# Altium PCB ZYNQ_IPMC.PcbDoc (part 5 of 6)
Units mil, origin at the board's own origin, x right, y up, seen from the top; angles counter-clockwise.
Board outline 3228.35 x 1181.1 mil, 10 copper layers (Component Side, Ground Plane 1 (GND), Inner Layer 1, Inner Layer 2, Power Plane 1, Power Plane 2, Inner Layer 3, Inner Layer 4, Power Plane 3, Solder Side), stack 39.78 mil thick; 308 components, 335 nets, 1514 pads, 1113 vias.
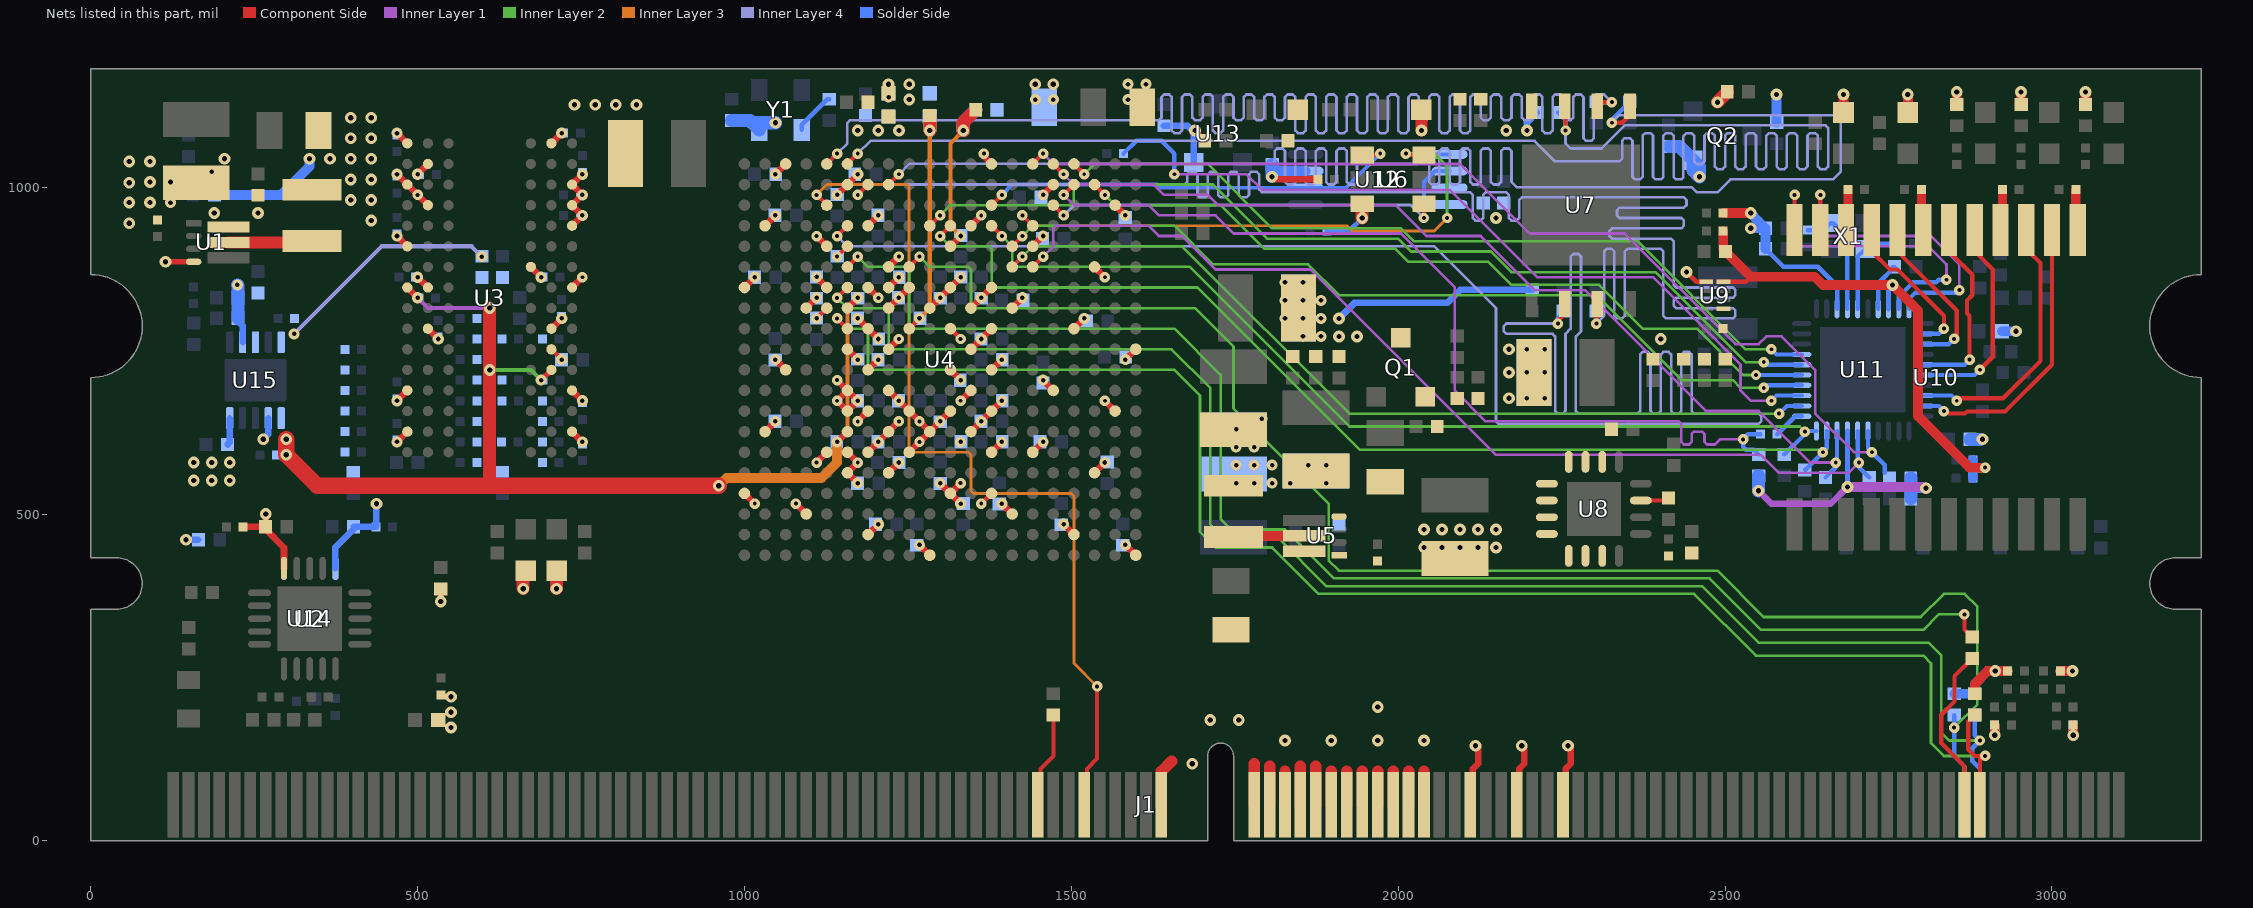
[diagram p13: the nets of this part, all layers, seen from the top]

## Via types
v1: diameter 16, hole 6, Component Side to Solder Side, tented both sides, 528 vias
v2: diameter 17, hole 7, Component Side to Solder Side, tented both sides, 302 vias
v3: diameter 18, hole 8, Component Side to Solder Side, tented both sides, 268 vias
v4: diameter 17, hole 7, Component Side to Solder Side, tented top, 13 vias
v5: diameter 16, hole 6, Component Side to Solder Side, tented top, 2 vias

## Nets (pads, with @x,y where several pads share a name; then routed paths per layer and width w, separated by ;. In a path a pad name is that pad's centre, name@x,y a point inside that pad or via, vN(x,y) a via of type N, cw(c..) or ccw(c..) an arc to the next point about the centre after c; other vN are vias at no path point) (continued)
QSPI_CLK: R68.2 U4.A5 U7.6 | length 3290.3
  Component Side w6.5: U4.A5@1125.98,1035.43 v1(1141.73,1051.18) ; U7.6@2304.53,1123.82 2310.63,1129.92 v1(2326.77,1129.92)
  Inner Layer 4 w4: v1(1141.73,1051.18) 1157.48,1066.93 1157.48,1098.43 1161.42,1102.36 1633.86,1102.36 1637.8,1106.3 1637.8,1137.8 1641.73,1141.73 1649.61,1141.73 1653.54,1137.8 1653.54,1086.61 1657.48,1082.68 1665.35,1082.68 1669.29,1086.61 1669.29,1137.8 1673.23,1141.73 1681.1,1141.73 1685.04,1137.8 1685.04,1106.3 1688.98,1102.36 1696.85,1102.36 1700.79,1106.3 1700.79,1137.8 1704.72,1141.73 1712.6,1141.73 1716.54,1137.8 1716.54,1086.61 1720.47,1082.68 1728.35,1082.68 1732.28,1086.61 1732.28,1137.8 1736.22,1141.73 1744.09,1141.73 1748.03,1137.8 1748.03,1106.3 1751.97,1102.36 1759.84,1102.36 1763.78,1106.3 1763.78,1137.8 1767.72,1141.73 1775.59,1141.73 1779.53,1137.8 1779.53,1106.3 1783.46,1102.36 1791.34,1102.36 1795.28,1106.3 1795.28,1137.8 1799.21,1141.73 1807.09,1141.73 1811.02,1137.8 1811.02,1106.3 1814.96,1102.36 1822.83,1102.36 1826.77,1106.3 1826.77,1137.8 1830.71,1141.73 1838.58,1141.73 1842.52,1137.8 1842.52,1086.61 1846.46,1082.68 1854.33,1082.68 1858.27,1086.61 1858.27,1137.8 1862.2,1141.73 1870.08,1141.73 1874.02,1137.8 1874.02,1086.61 1877.95,1082.68 1885.83,1082.68 1889.76,1086.61 1889.76,1137.8 1893.7,1141.73 1901.57,1141.73 1905.51,1137.8 1905.51,1086.61 1909.45,1082.68 1917.32,1082.68 1921.26,1086.61 1921.26,1137.8 1925.2,1141.73 1933.07,1141.73 1937.01,1137.8 1937.01,1086.61 1940.94,1082.68 1948.82,1082.68 1952.76,1086.61 1952.76,1137.8 1956.69,1141.73 1964.57,1141.73 1968.5,1137.8 1968.5,1086.61 1972.44,1082.68 1980.31,1082.68 1984.25,1086.61 1984.25,1137.8 1988.19,1141.73 1996.06,1141.73 2000,1137.8 2000,1086.61 2003.94,1082.68 2011.81,1082.68 2015.75,1086.61 2015.75,1137.8 2019.68,1141.73 2027.56,1141.73 2031.5,1137.8 2031.5,1106.3 2035.43,1102.36 2043.31,1102.36 2047.24,1106.3 2047.24,1137.8 2051.18,1141.73 2059.06,1141.73 2062.99,1137.8 2062.99,1086.61 2066.93,1082.68 2074.8,1082.68 2078.74,1086.61 2078.74,1137.8 2082.68,1141.73 2090.55,1141.73 2094.49,1137.8 2094.49,1086.61 2098.43,1082.68 2106.3,1082.68 2110.24,1086.61 2110.24,1137.8 2114.17,1141.73 2122.05,1141.73 2125.98,1137.8 2125.98,1106.3 2129.92,1102.36 2137.8,1102.36 2141.73,1106.3 2141.73,1137.8 2145.67,1141.73 2153.54,1141.73 2157.48,1137.8 2157.48,1106.3 2161.42,1102.36 2169.29,1102.36 2173.23,1106.3 2173.23,1137.8 2177.17,1141.73 2185.04,1141.73 2188.98,1137.8 2188.98,1106.3 2192.91,1102.36 2200.79,1102.36 2204.72,1106.3 2204.72,1137.8 2208.66,1141.73 2216.54,1141.73 2220.47,1137.8 2220.47,1086.61 2224.41,1082.68 2232.28,1082.68 2236.22,1086.61 2236.22,1137.8 2240.16,1141.73 2248.03,1141.73 2251.97,1137.8 2251.97,1106.3 2255.91,1102.36 2263.78,1102.36 2267.72,1106.3 2267.72,1137.8 2271.65,1141.73 2279.53,1141.73 2283.46,1137.8 2283.46,1074.8 2287.4,1070.87 2295.28,1070.87 2299.21,1074.8 2299.21,1137.8 2303.15,1141.73 2314.96,1141.73 v1(2326.77,1129.92)
  Solder Side w6.5: R68.2@2303.74,1129.92 v1(2326.77,1129.92)
QSPI_DQ0: R66.2 U4.B8 U7.5 | length 2908.7
  Component Side w6.5: U4.B8@1220.47,1003.94 v1(1236.22,1019.68) ; v1(2326.77,1098.43) 2342.52,1098.43 U7.5@2350.39,1106.3
  Inner Layer 4 w4: v1(1236.22,1019.68) 1252.31,1035.78 1807.43,1035.78 1811.02,1039.37 1811.02,1055.12 1814.96,1059.05 1822.83,1059.05 1826.77,1055.12 1826.77,1007.87 1830.71,1003.94 1838.58,1003.94 1842.52,1007.87 1842.52,1055.12 1846.46,1059.05 1854.33,1059.05 1858.27,1055.12 1858.27,1007.87 1862.2,1003.94 1870.08,1003.94 1874.02,1007.87 1874.02,1055.12 1877.95,1059.05 1885.83,1059.05 1889.76,1055.12 1889.76,1007.87 1893.7,1003.94 1901.57,1003.94 1905.51,1007.87 1905.51,1055.12 1909.45,1059.05 1917.32,1059.05 1921.26,1055.12 1921.26,1007.87 1925.2,1003.94 1933.07,1003.94 1937.01,1007.87 1937.01,1055.12 1940.94,1059.05 1948.82,1059.05 1952.76,1055.12 1952.76,1039.37 1956.69,1035.43 2027.56,1035.43 2031.5,1039.37 2031.5,1055.12 2035.43,1059.05 2043.31,1059.05 2047.24,1055.12 2047.24,1007.87 2051.18,1003.94 2059.06,1003.94 2062.99,1007.87 2062.99,1055.12 2066.93,1059.05 2074.8,1059.05 2078.74,1055.12 2078.74,1007.87 2082.68,1003.94 2090.55,1003.94 2094.49,1007.87 2094.49,1055.12 2098.43,1059.05 2106.3,1059.05 2110.24,1055.12 2110.24,1007.87 2114.17,1003.94 2122.05,1003.94 2125.98,1007.87 2125.98,1055.12 2129.92,1059.05 2137.8,1059.05 2141.73,1055.12 2141.73,1007.87 2145.67,1003.94 2153.54,1003.94 2157.48,1007.87 2157.48,1055.12 2161.42,1059.05 2169.29,1059.05 2173.23,1055.12 2173.23,1007.87 2181.1,1000 2448.82,1000 2456.69,992.13 2488.19,992.13 2507.87,1011.81 2665.35,1011.81 2677.17,1023.62 2677.17,1098.42 2665.35,1110.24 2338.58,1110.24 v1(2326.77,1098.43)
  Solder Side w6.5: v1(2326.77,1098.43) 2326.77,1102.95 R66.2@2354.33,1130.51
QSPI_DQ1: R69.2 U4.D6 U7.2 | length 3325.5
  Component Side w6.5: v1(1141.73,925.2) U4.D6@1157.48,940.94 ; v1(2244.09,791.34) 2244.09,795.28 U7.2@2251.97,803.15
  Inner Layer 4 w4: v1(1141.73,925.2) 1157.48,909.45 2055.12,909.45 2149.61,814.96 2149.61,641.73 2153.54,637.8 2551.18,637.8 2555.12,641.73 2555.12,649.61 2551.18,653.54 2452.76,653.54 2448.82,657.48 2448.82,744.09 2444.88,748.03 2437.01,748.03 2433.07,744.09 2433.07,657.48 2429.13,653.54 2421.26,653.54 2417.32,657.48 2417.32,744.09 2413.39,748.03 2405.51,748.03 2401.57,744.09 2401.57,657.48 2397.64,653.54 2389.76,653.54 2385.83,657.48 2385.83,744.09 2381.89,748.03 2374.02,748.03 2370.08,744.09 2370.08,657.48 2366.14,653.54 2275.59,653.54 2271.65,657.48 2271.65,771.65 2279.53,779.53 2279.53,893.7 2275.59,897.64 2267.72,897.64 2263.78,893.7 2263.78,783.46 2255.91,775.59 2255.91,657.48 2251.97,653.54 2244.09,653.54 2240.16,657.48 2240.16,771.65 2236.22,775.59 2165.35,775.59 2161.42,779.53 2161.42,787.4 2165.35,791.34 v1(2244.09,791.34)
  Solder Side w6.5: v1(2244.09,791.34) 2244.09,799.21 R69.2@2248.03,803.15
QSPI_DQ2: R67.2 U4.B7 U7.3 | length 3218.8
  Component Side w6.5: v1(1173.23,988.19) U4.B7@1188.98,1003.94 ; v1(2303.15,791.34) 2303.15,819.68 U7.3@2304.53,821.06
  Inner Layer 4 w4: v1(1173.23,988.19) 1188.98,1003.94 1673.23,1003.94 1677.17,1007.87 1677.17,1019.68 1681.1,1023.62 1688.98,1023.62 1692.91,1019.68 1692.91,988.19 1696.85,984.25 1704.72,984.25 1708.66,988.19 1708.66,1019.68 1712.6,1023.62 1720.47,1023.62 1724.41,1019.68 1724.41,988.19 1728.35,984.25 1736.22,984.25 1740.16,988.19 1740.16,1019.68 1744.09,1023.62 1751.97,1023.62 1755.91,1019.68 1755.91,988.19 1759.84,984.25 1767.72,984.25 1771.65,988.19 1771.65,1019.68 1775.59,1023.62 1783.46,1023.62 1787.4,1019.68 1787.4,996.06 1791.34,992.13 2110.24,992.13 2114.17,988.19 2114.17,952.76 2118.11,948.82 2125.98,948.82 2129.92,952.76 2129.92,988.19 2133.86,992.13 2165.35,992.13 2169.29,988.19 2169.29,952.76 2173.23,948.82 2181.1,948.82 2185.04,952.76 2185.04,980.32 2188.98,984.25 2437.01,984.25 2440.94,980.32 2440.94,972.44 2437.01,968.5 2338.58,968.5 2334.65,964.57 2334.65,956.69 2338.58,952.76 2433.07,952.76 2437.01,948.82 2437.01,940.94 2433.07,937.01 2326.77,937.01 2322.83,933.07 2322.83,925.2 2326.77,921.26 2417.32,921.26 2421.26,917.32 2421.26,850.39 2425.2,846.46 2511.81,846.46 2515.75,842.52 2515.75,834.65 2511.81,830.71 2425.2,830.71 2421.26,826.77 2421.26,818.9 2425.2,814.96 2511.81,814.96 2515.75,811.02 2515.75,803.15 2511.81,799.21 2409.45,799.21 2405.51,803.15 2405.51,901.57 2401.57,905.51 2350.39,905.51 2346.46,901.57 2346.46,803.15 2342.52,799.21 2334.65,799.21 2330.71,803.15 2330.71,901.57 2326.77,905.51 2318.9,905.51 2314.96,901.57 2314.96,803.15 v1(2303.15,791.34)
  Solder Side w6.5: v1(2303.15,791.34) R67.2@2303.15,810.43
QSPI_DQ3: R70.2 U4.A6 U7.7 | length 3160.5
  Component Side w6.5: U4.A6@1157.48,1035.43 v1(1173.23,1051.18) ; U7.7@2254.53,1123.82 2255.91,1122.44 v1(2255.91,1086.61)
  Inner Layer 4 w4: v1(1173.23,1051.18) 1192.91,1070.87 2208.66,1070.87 2240.16,1039.37 2338.58,1039.37 2342.52,1043.31 2342.52,1070.87 2346.46,1074.8 2354.33,1074.8 2358.27,1070.87 2358.27,1015.75 2362.2,1011.81 2370.08,1011.81 2374.02,1015.75 2374.02,1078.74 2377.95,1082.68 2385.83,1082.68 2389.76,1078.74 2389.76,1015.75 2393.7,1011.81 2401.57,1011.81 2405.51,1015.75 2405.51,1078.74 2409.45,1082.68 2417.32,1082.68 2421.26,1078.74 2421.26,1015.75 2425.2,1011.81 2433.07,1011.81 2435.78,1014.52 2435.78,1077.52 2440.94,1082.68 2448.82,1082.68 2452.76,1078.74 2452.76,1039.37 2456.69,1035.43 2464.57,1035.43 2468.5,1039.37 2468.5,1078.74 2472.44,1082.68 2480.31,1082.68 2484.25,1078.74 2484.25,1031.5 2488.19,1027.56 2496.06,1027.56 2500,1031.5 2500,1078.74 2503.94,1082.68 2511.81,1082.68 2515.75,1078.74 2515.75,1031.5 2519.68,1027.56 2527.56,1027.56 2531.5,1031.5 2531.5,1078.74 2535.43,1082.68 2543.31,1082.68 2547.24,1078.74 2547.24,1031.5 2551.18,1027.56 2559.06,1027.56 2562.99,1031.5 2562.99,1078.74 2566.93,1082.68 2574.8,1082.68 2578.74,1078.74 2578.74,1031.5 2582.68,1027.56 2590.55,1027.56 2594.49,1031.5 2594.49,1078.74 2598.43,1082.68 2606.3,1082.68 2610.24,1078.74 2610.24,1031.5 2614.17,1027.56 2622.05,1027.56 2625.98,1031.5 2625.98,1078.74 2629.92,1082.68 2637.8,1082.68 2641.73,1078.74 2641.73,1031.5 2645.67,1027.56 2653.54,1027.56 2657.48,1031.5 2657.48,1090.55 2653.54,1094.49 2346.46,1094.49 2311.02,1059.05 2263.78,1059.05 2255.91,1066.93 v1(2255.91,1086.61)
  Solder Side w6.5: R70.2@2244.69,1114.17 2255.91,1102.95 v1(2255.91,1086.61)
RBIAS: R55.1 U11.7 | length 77.7
  Solder Side w6.5: U11.7@2734.25,813.98 2734.25,852.95 R55.1@2759.25,877.95 R55.1@2755.91,877.95
REVB_DET: R84.2 U4.E6 | length 22.3
  Component Side w6.5: v1(1141.73,893.7) U4.E6@1157.48,909.45
RGMII_RX_CLK: R63.1 R64.2 U4.B17 | length 1431.5
  Component Side w6.5: v1(1488.19,988.19) U4.B17@1503.94,1003.94
  Inner Layer 1 w4: v1(1488.19,988.19) 1503.94,972.44 1618.11,972.44 1633.86,956.69 1720.47,956.69 1748.03,929.13 2003.94,929.13 2086.61,846.46 2086.61,688.98 2133.86,641.73 2429.13,641.73 2433.07,637.8 2433.07,610.24 2437.01,606.3 2444.88,606.3 2448.82,610.24 2448.82,622.05 2452.76,625.98 2464.57,625.98 2468.5,622.05 2468.5,610.24 2472.44,606.3 2484.25,606.3 2492.13,614.17 v1(2527.56,614.17)
  Solder Side w6.5: R64.2@2551.18,591.14 2550.59,591.14 2543.31,598.43 2531.5,598.43 2527.56,602.36 v1(2527.56,614.17) 2535.43,622.05 R63.1@2554.13,622.05
RGMII_RX_CTL: R61.2 U4.D13 U11.30 | length 1456.7
  Component Side w6.5: U4.D13@1377.95,940.94 v1(1393.7,925.2)
  Inner Layer 2 w4: v1(1393.7,925.2) 1409.45,909.45 1409.45,881.89 1413.39,877.95 1681.1,877.95 1925.2,633.86 2614.17,633.86 v1(2622.05,625.98)
  Solder Side w6.5: R61.2@2590.55,591.14 2622.05,622.64 v1(2622.05,625.98) 2623.03,626.97 U11.30@2639.76,626.97
RGMII_RX_D0: R60.2 U4.D11 U11.29 | length 1615.6
  Component Side w6.5: v1(1299.21,925.2) U4.D11@1314.96,940.94
  Inner Layer 2 w4: v1(1299.21,925.2) 1314.96,909.45 1374.02,909.45 1377.95,905.51 1377.95,850.39 1381.89,846.46 1692.91,846.46 1940.94,598.43 2645.67,598.43 v1(2649.61,594.49)
  Solder Side w6.5: R60.2@2622.05,567.52 2622.64,567.52 v1(2649.61,594.49) 2655.51,600.39 U11.29@2655.51,626.97
RGMII_RX_D1: R59.2 U4.A16 U11.28 | length 1464.6
  Component Side w6.5: U4.A16@1472.44,1035.43 v1(1488.19,1019.68)
  Inner Layer 1 w4: v1(1488.19,1019.68) 1503.94,1003.94 1625.98,1003.94 1641.73,988.19 1708.66,988.19 1724.41,972.44 1996.06,972.44 2043.31,925.2 2125.98,925.2 2208.66,842.52 2285.52,842.52 2470.56,657.48 2551.18,657.48 2629.92,578.74 v1(2669.29,578.74)
  Solder Side w6.5: R59.2@2653.54,555.71 2669.29,571.46 v1(2669.29,578.74) 2671.26,580.71 U11.28@2671.26,626.97
RGMII_RX_D2: R57.2 U4.F15 U11.26 | length 1547.7
  Component Side w6.5: U4.F15@1440.94,877.95 v1(1456.69,893.7)
  Inner Layer 1 w4: v1(1456.69,893.7) 1472.44,909.45 1472.44,937.01 1476.38,940.94 1618.11,940.94 1633.86,925.2 1669.29,925.2 1720.47,874.02 1866.14,874.02 2149.61,590.55 2555.12,590.55 2582.68,562.99 2688.98,562.99 v1(2704.72,578.74)
  Solder Side w6.5: U11.26@2702.76,626.97 2702.76,580.71 v1(2704.72,578.74) 2704.72,571.46 R57.2@2720.47,555.71
RGMII_RX_D3: R56.2 U4.A15 U11.25 | length 1602.7
  Component Side w6.5: U4.A15@1440.94,1035.43 v1(1456.69,1051.18)
  Inner Layer 1 w4: v1(1456.69,1051.18) 1472.44,1035.43 2094.49,1035.43 2200.79,929.13 2346.46,929.13 2515.75,759.84 2551.18,759.84 2562.99,771.65 2586.61,771.65 2637.8,720.47 2637.8,653.54 2696.85,594.49 v1(2724.41,594.49)
  Solder Side w6.5: U11.25@2718.5,626.97 2718.5,600.39 v1(2724.41,594.49) 2744.09,574.8 R56.2@2744.09,562.99
RGMII_TX_CLK: R77.2 U11.33 | length 1255
  Inner Layer 1 w4: v1(1657.48,1019.68) 1767.72,1019.68 1791.34,996.06 2078.74,996.06 2212.6,862.2 2389.76,862.2 2523.62,728.35 2523.62,688.98 2527.56,685.04 2539.37,673.23 v1(2570.87,673.23)
  Solder Side w6.5: R77.2@1579.72,1051.18 1599.41,1070.87 1637.8,1070.87 1657.48,1051.18 v1(1657.48,1019.68) ; v1(2570.87,673.23) 2578.74,681.1 U11.33@2617.13,681.1
RGMII_TX_CTL: U4.F14 U11.32 | length 1331.6
  Component Side w6.5: U4.F14@1409.45,877.95 v1(1425.2,893.7)
  Inner Layer 2 w4: v1(1425.2,893.7) 1440.94,909.45 1669.29,909.45 1925.2,653.54 v1(2582.68,653.54)
  Solder Side w6.5: v1(2582.68,653.54) 2594.49,665.35 U11.32@2617.13,665.35
RGMII_TX_D0: U4.E14 U11.34 | length 1325.1
  Component Side w6.5: U4.E14@1409.45,909.45 v1(1425.2,925.2)
  Inner Layer 2 w4: v1(1425.2,925.2) 1440.94,940.94 1657.48,940.94 1716.54,881.89 1862.2,881.89 1909.45,834.65 2303.15,834.65 2433.07,704.72 2511.81,704.72 2523.62,692.91 v1(2559.06,692.91)
  Solder Side w6.5: v1(2559.06,692.91) 2562.99,696.85 U11.34@2617.13,696.85
RGMII_TX_D1: U4.B18 U11.35 | length 1202.4
  Component Side w6.5: U4.B18@1535.43,1003.94 v1(1551.18,988.19)
  Inner Layer 2 w4: v1(1551.18,988.19) 1566.93,972.44 1728.35,972.44 1795.28,905.51 1996.06,905.51 2015.75,885.83 2137.8,885.83 2173.23,850.39 2307.09,850.39 2374.02,783.46 2456.69,783.46 2527.56,712.6 v1(2547.24,712.6)
  Solder Side w6.5: v1(2547.24,712.6) U11.35@2617.13,712.6
RGMII_TX_D2: U4.D10 U11.36 | length 1487.7
  Component Side w6.5: U4.D10@1283.46,940.94 v1(1299.21,956.69)
  Inner Layer 2 w4: v1(1299.21,956.69) 1314.96,972.44 1500,972.44 1503.94,976.38 1503.94,1000 1507.87,1003.94 1716.54,1003.94 1799.21,921.26 2000,921.26 2019.69,901.57 2141.73,901.57 2173.23,870.08 2393.7,870.08 2531.5,732.28 v1(2559.06,732.28)
  Solder Side w6.5: v1(2559.06,732.28) 2562.99,728.35 U11.36@2617.13,728.35
RGMII_TX_D3: U4.A17 U11.37 | length 1246.9
  Component Side w6.5: U4.A17@1503.94,1035.43 v1(1519.68,1019.68)
  Inner Layer 2 w4: v1(1519.68,1019.68) 1535.43,1035.43 1708.66,1035.43 1807.09,937.01 2003.94,937.01 2023.62,917.32 2366.14,917.32 2531.5,751.97 v1(2570.87,751.97)
  Solder Side w6.5: v1(2570.87,751.97) 2578.74,744.09 U11.37@2617.13,744.09
RGMII_VREF_1.25V: C91.2 R8.1 R78.2 U4.E11 | length 277.2
  Component Side w10: U4.E11@1314.96,909.45 v4(1330.71,925.2)
  Component Side w20: v3(1334.65,1086.61) 1334.65,1099.02 R8.1@1353.74,1118.11
  Inner Layer 3 w6.4: v4(1330.71,925.2) 1314.96,940.95 1314.96,1066.93 v3(1334.65,1086.61)
  Solder Side w20: v3(1334.65,1086.61) 1334.65,1099.02 R78.2@1353.74,1118.11
RX_CLK: R63.2 U11.31 | length 48.8
  Solder Side w6.5: R63.2@2579.72,622.05 2607.28,649.61 U11.31@2617.13,649.61
SPI_CLK: U4.C16 U6.1 U12.6 | length 711.2
  Component Side w6: U4.C16@1472.44,972.44 v1(1488.19,956.69) ; v1(2039.37,952.76) U6.1@2039.37,974.41
  Inner Layer 4 w4.5: v1(1488.19,956.69) 1503.94,972.44 2019.69,972.44 v1(2039.37,952.76)
  Solder Side w6: v1(2039.37,952.76) 2039.37,1007.87 2056.1,1024.61 U12.6@2078.74,1024.61
SPI_MISO: U4.C13 U6.4 U12.2 | length 659.6
  Component Side w6: U4.C13@1377.95,972.44 v1(1393.7,988.19) ; U6.4@1944.88,1049.21 1970.47,1049.21 v1(1972.44,1051.18)
  Solder Side w6: v1(1393.7,988.19) 1409.45,1003.94 1629.92,1003.94 1634.84,999.02 U12.2@1858.27,999.02 1920.28,999.02 v1(1972.44,1051.18)
SPI_MOSI: U4.D15 U6.3 U12.5 | length 932.6
  Component Side w6: v1(1425.2,956.69) U4.D15@1440.94,940.94 ; v1@2013.78,1049.21 U6.3@2039.37,1049.21
  Inner Layer 2 w4.5: v1(2011.81,1051.18) 2055.12,1051.18 2074.8,1031.5 v1(2074.8,952.76)
  Inner Layer 3 w4.5: v1(1425.2,956.69) 1440.94,940.94 1921.26,940.94 1929.13,933.07 2055.12,933.07 v1(2074.8,952.76)
  Solder Side w6: v1(2011.81,1051.18) 2012.8,1050.2 U12.5@2078.74,1050.2
SS_1.8: C32.1 U8.7 | length 43.8
  Component Side w6.5: U8.7@2371.06,520.67 2409.84,520.67 C32.1@2413.39,524.21
SW_1.0: L4.1 U5.6 | length 109.1
  Component Side w15: L4.1@1748.03,464.57 1750,466.54 U5.6@1856.3,466.54
SW_1.5: L1.1 U1.6 | length 128.8
  Component Side w18: U1.6@210.63,915.35 336.61,915.35 L1.1@338.58,917.32
TCT1: C45.1 U10.1 | length 63
  Component Side w14: C45.1@3036.42,996.06 3036.42,937.2 U10.1@3039.37,934.25
TCT2: C43.1 U10.4 | length 63
  Component Side w14: U10.4@2921.26,934.25 2924.21,937.2 C43.1@2924.21,996.06
TCT3: C41.1 U10.7 | length 63
  Component Side w14: C41.1@2800.2,996.06 2800.2,937.2 U10.7@2803.15,934.25
TCT4: C40.1 U10.10 | length 63
  Component Side w14: U10.10@2685.04,934.25 2687.99,937.2 C40.1@2687.99,996.06
TDO_0: R27.2 U4.F6 | length 2181.1
  Component Side w6.5: U4.F6@1157.48,877.95 v1(1173.23,893.7) ; v1(2866.14,346.46) 2866.14,323.43 R27.2@2877.95,311.61
  Inner Layer 2 w4: v1(1173.23,893.7) 1188.98,877.95 1248.03,877.95 1251.97,874.02 1251.97,787.4 1255.91,783.46 1657.48,783.46 1728.35,712.6 1728.35,492.13 1744.09,476.38 1826.77,476.38 1901.57,401.57 2476.38,401.57 2555.12,322.83 2803.15,322.83 2826.77,346.46 v1(2866.14,346.46)
TRX0_N: U10.11 U11.10 | length 479.5
  Component Side w6.5: U10.11@2645.67,934.25 v1(2645.67,988.19)
  Inner Layer 1 w4: v1(2645.67,988.19) 2645.67,933.07 2653.54,925.2 2814.96,925.2 2858.27,881.89 v1(2858.27,842.52)
  Solder Side w6.5: U11.10@2781.5,813.98 2781.5,828.74 2791.34,838.58 2854.33,838.58 v1(2858.27,842.52)
TRX0_P: U10.12 U11.9 | length 497.5
  Component Side w6.5: U10.12@2606.3,934.25 v1(2606.3,988.19)
  Inner Layer 1 w4: v1(2606.3,988.19) 2606.3,917.32 2614.17,909.45 2811.02,909.45 2838.58,881.89 v1(2838.58,858.27)
  Solder Side w6.5: U11.9@2765.75,813.98 2765.75,832.68 2787.4,854.33 2822.83,854.33 2826.77,858.27 v1(2838.58,858.27)
TRX1_N: U10.8 U11.13 | length 216.7
  Component Side w6.5: U10.8@2767.72,897.64 2854.33,811.02 2854.33,772.04 v1(2850.2,767.91)
  Solder Side w6.5: U11.13@2804.13,759.84 2842.14,759.84 v1(2850.2,767.91)
TRX1_P: U10.9 U11.12 | length 237.1
  Component Side w6.5: U10.9@2724.41,934.25 2724.41,901.57 2751.97,874.02 2763.78,874.02 2834.65,803.15 v1(2834.65,783.46)
  Solder Side w6.5: U11.12@2804.13,775.59 2826.77,775.59 v1(2834.65,783.46)
TRX2_N: U10.5 U11.16 | length 283.8
  Component Side w6.5: U10.5@2885.83,897.64 2909.45,874.02 2909.45,740.54 v1(2889.57,720.66)
  Solder Side w6.5: U11.16@2804.13,712.6 2881.51,712.6 v1(2889.57,720.66)
TRX2_P: U10.6 U11.15 | length 255.3
  Component Side w6.5: U10.6@2846.46,897.64 2877.95,866.14 2877.95,834.65 2870.08,826.77 2870.08,807.09 2874.02,803.15 v1(2874.02,736.22) ; U10.6@2846.46,901.57 U10.6@2848.43,899.61
  Solder Side w6.5: U11.15@2804.13,728.35 2866.14,728.35 v1(2874.02,736.22)
TRX3_N: U10.2 U11.19 | length 437.6
  Component Side w6.5: v1(2834.65,657.48) 2838.58,657.48 2842.52,653.54 2866.89,653.54 2870.08,656.73 2928.38,656.73 3000,728.35 U10.2@3000,934.25
  Solder Side w6.5: U11.19@2804.13,665.35 2826.77,665.35 v1(2834.65,657.48)
TRX3_P: U10.3 U11.18 | length 384.9
  Component Side w6.5: v1(2854.33,673.23) 2858.27,677.17 2925.2,677.17 2982.28,734.25 2982.28,883.86 U10.3@2964.57,901.57
  Solder Side w6.5: U11.18@2804.13,681.1 2846.46,681.1 v1(2854.33,673.23) v1@2857.88,673.23
UART_RX: J1.60 U4.C5 | length 1382.6
  Component Side w6: v1(1110.24,988.19) U4.C5@1125.98,972.44 ; J1.60@1519.68,55.12 1519.68,98.43 1523.62,102.36 1523.62,110.24 1539.37,125.98 v1(1539.37,236.22)
  Inner Layer 3 w4.5: v1(1110.24,988.19) 1125.98,1003.94 1248.03,1003.94 1251.97,1000 1251.97,598.43 1255.91,594.49 1342.52,594.49 1346.46,590.55 1346.46,535.43 1350.39,531.5 1500,531.5 1503.94,527.56 1503.94,271.65 v1(1539.37,236.22)
UART_TX: J1.57 R9.1 | length 139.1
  Component Side w6: J1.57@1448.82,55.12 1448.82,94.49 1452.76,98.43 1452.76,110.24 1472.44,129.92 R9.1@1472.44,184.45
VCC1.0: C16.1 C20.1 C24.2 C64.1 C67.1 C68.1 C81.1 C82.1 C83.1 C84.1 C85.1 C88.1 C90.1 C93.1 C98.1 C99.1 C106.1 C107.1 L4.2 R72.2 U4.G7 U4.G11 U4.G13 U4.H10 U4.H12 U4.J7 U4.J13 U4.K12 U4.L7 U4.L13 U4.M12 U4.N7 U4.N13 U4.P8 U4.P12 U4.R7 U4.R13 U5.4 | length 467.7
  Component Side w10: v1(1173.23,641.73) U4.N7@1188.98,657.48 ; v2(1173.23,799.21) U4.J7@1188.98,783.46 v2(1204.72,767.72) ; U4.R7@1188.98,594.49 v2(1204.72,610.24) U4.P8@1220.47,625.98 v1(1236.22,641.73) ; U4.L7@1188.98,720.47 v2(1204.72,736.22) ; U4.G7@1188.98,846.46 v1(1204.72,830.71) ; U4.H10@1283.46,814.96 v2(1299.21,830.71) U4.G11@1314.96,846.46 v2(1330.71,862.2) ; v1(1330.71,673.23) U4.M12@1346.46,688.98 ; U4.P12@1346.46,625.98 v2(1362.2,641.73) U4.N13@1377.95,657.48 v2(1393.7,673.23) ; U4.K12@1346.46,751.97 v2(1362.2,767.72) U4.J13@1377.95,783.46 ; U4.H12@1346.46,814.96 v2(1362.2,830.71) U4.G13@1377.95,846.46 ; U4.R13@1377.95,594.49 v2(1393.7,610.24) ; U4.L13@1377.95,720.47 v2(1393.7,736.22)
  other v2: 1751.97,547.24 1779.53,547.24 1807.09,547.24 1834.65,547.24 1889.76,547.24 1751.97,574.8 1779.53,574.8 1807.09,574.8 1862.2,574.8 1889.76,574.8 1751.97,602.36 1779.53,602.36 1751.97,629.92 1791.34,645.67
VCC1.5: C6.2 C11.1 C112.1 C113.1 C114.1 C115.1 C116.1 C118.1 C119.1 C120.1 C121.1 C122.1 C123.1 C124.1 C126.1 C129.1 C130.1 C132.1 C133.1 C134.1 C135.1 C136.1 C137.1 C147.2 L1.2 R87.1 R116.2 R118.2 U1.4 U3.A1 U3.A8 U3.B2 U3.C1 U3.C9 U3.D2 U3.D9 U3.E9 U3.F1 U3.G7 U3.H2 U3.H9 U3.K2 U3.K8 U3.N1 U3.N9 U3.R1 U3.R9 U4.A3 U4.D2 U4.E5 U4.G1 U4.H4 U4.L3 U4.P2 U4.R5 U4.U1 U4.V4 U15.2 | length 1001
  Component Side w8: v3(114.17,885.83) U1.4@157.48,885.83
  Component Side w10: v2(468.5,610.24) U3.R1@484.25,625.98 ; v2(468.5,673.23) U3.N1@484.25,688.98 ; v2(468.5,925.2) U3.F1@484.25,909.45 ; v2(468.5,1019.68) U3.C1@484.25,1003.94 v1(500,988.19) U3.D2@515.75,972.44 ; v2(468.5,1082.68) U3.A1@484.25,1066.93 ; v2(500,862.2) U3.H2@515.75,846.46 ; v2(500,1019.68) U3.B2@515.75,1035.43 ; U3.K2@515.75,783.46 v2(531.5,767.72) ; U3.G7@673.23,877.95 v2(688.98,862.2) ; U3.K8@704.72,783.46 v2(720.47,799.21) ; U3.A8@704.72,1066.93 v2(720.47,1082.68) ; U3.R9@736.22,625.98 v2(751.97,610.24) ; U3.N9@736.22,688.98 v2(751.97,673.23) ; U3.H9@736.22,846.46 v1(751.97,862.2) ; U3.E9@736.22,940.94 v2(751.97,956.69) U3.D9@736.22,972.44 v2(751.97,988.19) U3.C9@736.22,1003.94 v2(751.97,1019.68) ; U4.U1@1000,531.5 v1(1015.75,515.75) ; U4.G1@1000,846.46 v2(1015.75,862.2) ; U4.P2@1031.5,625.98 v2(1047.24,641.73) ; U4.D2@1031.5,940.94 v2(1047.24,956.69) ; v2(1047.24,736.22) U4.L3@1062.99,720.47 ; v2(1047.24,1019.68) U4.A3@1062.99,1035.43 ; v1(1078.74,515.75) U4.V4@1094.49,500 ; U4.H4@1094.49,814.96 v2(1110.24,830.71) ; v1(1110.24,578.74) U4.R5@1125.98,594.49 ; v1(1110.24,925.2) U4.E5@1125.98,909.45
  Solder Side w10: R116.2@221.06,799.21 223.03,797.24 232.28,787.99 U15.2@232.28,762.8
  Solder Side w15: R118.2@189.57,988.19 291.34,988.19 334.65,1031.5 v3(334.65,1043.31)
  Solder Side w20: v2(224.41,850.39) 225,849.8 C147.2@225,830.71 R116.2@225,799.21
  other v3: 429.13,948.82 397.64,980.32 429.13,980.32 397.64,1011.81 429.13,1011.81 366.14,1043.31 397.64,1043.31 429.13,1043.31 397.64,1074.8 429.13,1074.8 397.64,1106.3 429.13,1106.3 740.16,1125.98 771.65,1125.98 803.15,1125.98 834.65,1125.98
VCC1.8: C12.1 C19.1 C30.1 C31.2 C34.1 C36.2 C38.1 C61.1 C62.1 C63.1 C66.1 C74.1 C75.1 C79.1 C87.1 C92.1 C94.1 C96.1 D3.1 D4.1 L3.2 L8.2 L9.2 Q2.1 R14.1 R19.2 R22.1 R65.2 R73.1 R78.1 U4.A13 U4.B16 U4.D12 U4.E15 U4.F8 U4.G9 U4.H8 U4.J11 U4.K8 U4.L11 U4.M8 U4.N9 U4.N11 U4.P10 U4.R9 U6.6 U8.10 U8.11 U8.12 U8.13 U8.14 U9.1 U9.5 U12.3 U12.7 U12.8 | length 801.2
  Component Side w7: v3(2440.94,870.08) 2455.71,855.32 U9.1@2471.06,855.32
  Component Side w8: U4.J11@1314.96,783.46 v1(1330.71,767.72)
  Component Side w10: U4.M8@1220.47,688.98 v2(1236.22,673.23) U4.N9@1251.97,657.48 v1(1267.72,641.73) U4.P10@1283.46,625.98 ; U4.K8@1220.47,751.97 v1(1236.22,767.72) ; U4.H8@1220.47,814.96 v2(1236.22,830.71) U4.G9@1251.97,846.46 ; U4.F8@1220.47,877.95 v1(1236.22,893.7) ; U4.R9@1251.97,594.49 v1(1267.72,610.24) U4.P10@1283.46,625.98 ; U4.N11@1314.96,657.48 v2(1299.21,641.73) U4.P10@1283.46,625.98 ; U4.L11@1314.96,720.47 v2(1330.71,704.72) ; U4.D12@1346.46,940.94 v1(1362.2,956.69) ; v1(1366.14,1051.18) 1366.14,1047.24 U4.A13@1377.95,1035.43 ; U4.E15@1440.94,909.45 v2(1456.69,925.2) ; v2(1456.69,988.19) U4.B16@1472.44,1003.94 ; v3(1807.09,1015.75) 1811.02,1011.81 R14.1@1876.97,1011.81
  Component Side w18: v3(2035.43,1086.61) D4.1@2035.43,1118.11
  Component Side w20: v3(1944.88,952.76) U6.6@1944.88,974.41
  Solder Side w7: R73.1@1890.75,933.07 1925.2,933.07 v3(1944.88,952.76)
  Solder Side w15: v3@1807.09,1016.22 1815.48,1024.61 U12.3@1858.27,1024.61
  Solder Side w20: v3@1807.09,1016.22 C66.1@1807.09,1034.84 ; R65.2@2413.39,1062.4 2429.92,1062.4 Q2.1@2450.98,1041.34 ; Q2.1@2450.98,1041.34 2450.98,1025.39 v3(2460.63,1015.75) 2460.63,1031.69 Q2.1@2450.98,1041.34
  other v2: 2196.85,677.17 2224.41,677.17 2196.85,716.54 2224.41,716.54 2196.85,751.97 2224.41,751.97 1444.88,1133.86 1472.44,1133.86 1220.47,1137.8
  other v3: 2169.29,677.17 2169.29,716.54 2169.29,751.97 2401.57,767.72 2149.61,952.76 1251.97,1133.86 1220.47,1157.48 1251.97,1157.48 1444.88,1157.48 1472.44,1157.48
VCC3.3: C1.1 C3.2 C5.1 C10.2 C17.1 C25.1 C26.1 C28.1 C33.1 C57.2 C58.2 C117.2 C138.2 C148.2 D1.1 D2.1 D6.1 J1.65 J1.66 J1.67 J1.68 J1.69 J1.70 J1.71 J1.72 J1.73 J1.74 J1.75 J1.76 J1.77 J1.80 J1.83 J1.86 L2.1 L6.2 Q1.2 R1.2 R4.2 R5.2 R16.2 R18.1 R20.2 R23.2 R26.1 R28.1 R29.1 R32.1 R33.1 R35.1 R36.1 R38.1 R40.1 R43.1 R45.1 R46.1 R49.1 R52.2 R53.1 R62.1 R115.2 R117.2 U1.7 U2.15 U5.1 U5.7 U8.1 U8.2 U8.3 U8.15 U8.16 U11.3 U14.15 U15.7 U15.10 Y1.4 | length 2177.6
  Component Side w10: C3.2@233.27,480.31 R4.2@267.13,480.32 ; v3(267.72,500) 267.72,480.91 R4.2@267.13,480.32 ; U2.15@295.63,416.77 295.63,448.46 267.13,476.97 R4.2@267.13,480.32 ; L2.1@531.5,185.04 L2.1@535.43,188.98 ; v3(535.43,366.14) R5.2@535.43,385.24 ; J1.80@2110.24,98.43 2114.17,102.36 2114.17,110.24 2122.05,118.11 2122.05,141.73 v3(2118.11,145.67) ; J1.83@2181.1,98.43 2185.04,102.36 2185.04,110.24 2192.91,118.11 2192.91,141.73 v3(2188.98,145.67) ; J1.86@2251.97,55.12 2251.97,98.43 2255.91,102.36 2255.91,110.24 2263.78,118.11 2263.78,141.73 v3(2259.84,145.67)
  Component Side w15: R23.2@2497.05,960.63 v3(2539.37,960.63) ; D6.1@2779.53,1114.17 v3(2779.53,1141.73) ; R26.1@2854.33,1126.57 v3(2854.33,1145.67) ; R28.1@2881.89,225 2881.89,240.16 2901.57,259.84 v3(2913.39,259.84) R32.1@2932.09,259.84 ; v3(2912.4,161.42) R29.1@2912.4,177.17 ; R33.1@2952.76,1126.57 v3(2952.76,1145.67) ; R35.1@3012.8,259.84 v3(3031.5,259.84) ; v3(3032.48,161.42) R36.1@3032.48,177.17 ; R38.1@3051.18,1126.57 v3(3051.18,1145.67)
  Component Side w17.5: J1.65@1637.8,55.12 1637.8,106.3 1653.54,122.05 ; J1.66@1779.53,55.12 1779.53,118.11 ; J1.67@1803.15,55.12 1803.15,114.17 ; J1.68@1826.77,55.12 1826.77,106.3 ; J1.69@1850.39,55.12 1850.39,114.17 ; J1.70@1874.02,55.12 1874.02,114.17 ; J1.71@1897.64,55.12 1897.64,106.3 ; J1.72@1921.26,55.12 1921.26,106.3 ; J1.73@1944.88,55.12 1944.88,106.3 ; J1.74@1968.5,55.12 1968.5,106.3 ; J1.75@1992.13,55.12 1992.13,106.3 ; J1.76@2015.75,55.12 2015.75,106.3 ; J1.77@2039.37,55.12 2039.37,106.3
  Component Side w20: v3(661.42,385.83) D1.1@661.42,401.57 ; v3(712.6,385.83) D2.1@712.6,401.57
  Solder Side w7: C57.2@2561.81,905.51 2589.37,877.95 2641.73,877.95 2671.26,848.43 U11.3@2671.26,813.98
  Solder Side w10: v3(145.67,460.63) R117.2@164.76,460.63 ; C148.2@209.25,606.3 212.6,609.65 U15.10@212.6,646.65 ; v3(263.78,614.17) 271.65,622.05 U15.7@271.65,646.65 ; U14.15@374.37,416.77 374.37,449.17 402.17,476.97 R115.2@402.17,480.32 C138.2@436.02,480.31 437.01,481.3 v3(437.01,515.75)
  Solder Side w15: v3(2539.37,937.01) C58.2@2561.81,937.01 ; v3(2539.37,960.63) 2539.37,959.45 2550.59,948.23 C58.2@2561.81,937.01 ; C57.2@2561.81,905.51 C58.2@2561.81,937.01 ; R62.1@2578.74,1099.02 v3(2578.74,1141.73) ; R53.1@2850.39,225 R49.1@2881.89,225 2881.89,240.16 2901.57,259.84 v3(2913.39,259.84) R45.1@2932.09,259.84 ; v3(2912.4,161.42) R46.1@2912.4,177.17 ; L6.2@2923.23,779.53 v3(2944.88,779.53) ; R43.1@3012.8,259.84 v3(3031.5,259.84) ; v3(3032.48,161.42) R40.1@3032.48,177.17
  Solder Side w20: C117.2@980.31,1101.77 1008.46,1101.77 Y1.4@1011.81,1098.43 ; Y1.4@1022.64,1087.6 Y1.4@1011.81,1098.43 ; v3(1047.24,1098.43) 1022.64,1098.43 Y1.4@1011.81,1098.43 ; R52.2@2874.61,614.17 v3@2889.46,614.17
  other v2: 2039.37,448.82 2066.93,448.82 2094.49,448.82 2122.05,448.82 122.05,976.38 122.05,1007.87 185.04,1023.62
  other v3: 1685.04,118.11 1826.77,153.54 1897.64,153.54 1968.5,153.54 2039.37,153.54 551.18,173.23 1712.6,185.04 1755.91,185.04 551.18,196.85 1968.5,204.72 551.18,220.47 2149.61,448.82 2039.37,476.38 2066.93,476.38 2094.49,476.38 2122.05,476.38 2149.61,476.38 157.48,551.18 185.04,551.18 212.6,551.18 157.48,578.74 185.04,578.74 212.6,578.74 2893.7,614.17 59.06,944.88 188.98,960.63 255.91,960.63 59.06,976.38 90.55,976.38 59.06,1006.53 90.55,1007.87 59.06,1039.37 90.55,1039.37 204.72,1043.31
VCC3.3_IO: C14.1 C15.2 C18.1 C21.1 C22.1 C23.1 C27.1 C29.1 C39.1 C65.1 C69.1 C70.1 C71.1 C72.1 C73.1 C76.1 C77.1 C78.1 C80.1 C86.1 C89.1 C97.1 C101.1 C102.1 C103.1 C104.1 C105.1 C108.1 D5.1 Q1.3 R70.1 R71.1 R76.1 R79.2 R80.2 R82.2 R83.1 U4.B6 U4.C19 U4.D7 U4.F18 U4.H14 U4.J17 U4.K6 U4.K20 U4.M6 U4.M16 U4.N6 U4.N19 U4.R6 U4.R15 U4.T6 U4.T8 U4.T18 U4.U11 U4.U13 U4.V14 U4.W7 U4.W17 U4.Y10 U4.Y20 U7.8 U13.2 | length 1208.5
  Component Side w7: v1(1362.2,515.75) U4.U13@1377.95,531.5
  Component Side w10: v1(1141.73,704.72) U4.M6@1157.48,688.98 ; v2(1141.73,988.19) U4.B6@1157.48,1003.94 v2(1173.23,1019.68) ; U4.R6@1157.48,594.49 v1(1173.23,578.74) U4.T6@1157.48,562.99 v2(1173.23,547.24) ; U4.K6@1157.48,751.97 v2(1173.23,736.22) ; U4.W7@1188.98,468.5 v2(1204.72,484.25) ; U4.D7@1188.98,940.94 v2(1204.72,956.69) ; U4.T8@1220.47,562.99 v2(1236.22,578.74) ; v2(1267.72,452.76) U4.Y10@1283.46,437.01 ; v2(1299.21,547.24) U4.U11@1314.96,531.5 ; v2(1330.71,515.75) U4.U11@1314.96,531.5 ; v1(1330.71,547.24) U4.U11@1314.96,531.5 ; v2(1393.7,515.75) U4.V14@1409.45,500 ; U4.H14@1409.45,814.96 v2(1425.2,830.71) ; U4.R15@1440.94,594.49 v2(1456.69,610.24) ; v2(1456.69,704.72) U4.M16@1472.44,688.98 ; v2(1488.19,484.25) U4.W17@1503.94,468.5 ; U4.J17@1503.94,783.46 v2(1519.68,799.21) ; U4.T18@1535.43,562.99 v2(1551.18,578.74) ; U4.F18@1535.43,877.95 v1(1551.18,862.2) ; v1(1551.18,673.23) U4.N19@1566.93,657.48 ; U4.C19@1566.93,972.44 v2(1582.68,956.69) ; v2(1582.68,452.76) U4.Y20@1598.43,437.01 ; v2(1582.68,736.22) U4.K20@1598.43,751.97 ; v3(1688.98,1086.61) 1688.39,1086.61 1688.68,1086.32 C15.2@1704.13,1070.87 ; U4.M6@1157.48,688.98 v1(1141.73,673.23) U4.N6@1157.48,657.48 v2(1173.23,673.23) U4.M6@1157.48,688.98
  Component Side w15: D5.1@2681.1,1114.17 v3(2681.1,1141.73)
  Component Side w20: v3(2488.19,1129.92) 2503.35,1145.08 C39.1@2503.35,1145.67
  Solder Side w10: R76.1@1641.73,1093.9 1677.76,1093.9 1685.04,1086.61 v3(1688.98,1086.61) 1687.01,1084.65 U13.2@1687.01,1039.37 ; v3(1909.45,799.21) 1933.07,822.83 2074.8,822.83 2095.08,843.11 R71.1@2204.72,843.11 ; v3(2196.85,1086.61) 2196.85,1099.02 R70.1@2212.01,1114.17
  other v2: 1330.71,610.24 1854.33,771.65 1881.89,771.65 1826.77,799.21 1854.33,799.21 1881.89,799.21 1826.77,826.77 1854.33,826.77 1881.89,826.77 1826.77,854.33 1854.33,854.33 1586.61,1133.86 1586.61,1157.48 1614.17,1157.48
  other v3: 1909.45,771.65 1937.01,771.65 2165.35,1086.61
VCCADC: C13.1 C95.1 L8.1 U4.J9 | length 360.9
  Component Side w7: U4.J9@1251.97,783.46 v2(1267.72,799.21)
  Component Side w20: v3(1283.46,1086.61) C13.1@1283.46,1109.65
  Inner Layer 3 w6.4: v2(1267.72,799.21) 1283.46,814.96 v3(1283.46,1086.61)
  Solder Side w20: v3(1283.46,1086.61) L8.1@1283.46,1108.27
VCCPLL: C100.1 C109.1 L3.1 L9.1 U4.G8 | length 22.3
  Component Side w10: U4.G8@1220.47,846.46 v2(1236.22,862.2)
  other v3: 1173.23,1086.61 1204.72,1086.61 1236.22,1086.61
VDDH_REG: C35.2 C37.2 R50.2 R51.2 U9.8 U11.8 | length 792.5
  Component Side w7: U9.8@2497.44,855.32 2531.89,855.32 2539.37,862.8
  Component Side w15: C37.2@2497.05,933.07 2497.05,905.12 C35.2@2500.59,901.57 ; C35.2@2500,900.98 C35.2@2500.59,901.57 ; v1(2897.64,570.87) 2874.02,570.87 2795.28,649.61 2795.28,811.02 v3(2755.91,850.39) 2649.61,850.39 2637.2,862.8 2539.37,862.8 C35.2@2500.59,901.57
  Solder Side w8: U11.8@2750,813.98 2750,844.49 v3(2755.91,850.39)
  Solder Side w15: R50.2@2878.94,555.12 2878.94,570.87 ; R51.2@2878.94,582.68 2878.94,570.87 ; v1(2897.64,570.87) 2878.94,570.87
VDDIO_REG: C54.2 R56.1 R64.1 U11.27 | length 440.3
  Inner Layer 1 w10: v3(2551.18,535.43) 2570.87,515.75 2661.42,515.75 v3(2687.01,541.34)
  Inner Layer 1 w15: v3(2687.01,541.34) 2805.12,541.34 v3(2807.09,539.37)
  Solder Side w8: v3(2687.01,541.34) U11.27@2687.01,626.97
  Solder Side w15: 2784.06,543.31 2787.99,539.37 v3(2807.09,539.37)
  Solder Side w20: v3(2551.18,535.43) R64.1@2551.18,558.46 ; C54.2@2784.06,523.62 2784.06,543.31 R56.1@2784.06,555.12
VOSNS: C143.2 R99.1 U15.5 | length 349.4
  Inner Layer 4 w6.4: v2(311.02,775.59) 444.88,909.45 582.68,909.45 v4(598.43,893.7)
VREF: C110.2 C111.2 C125.2 C131.2 C144.2 U3.H1 U3.M8 U4.H6 U4.P6 U15.6 | length 1729.7
  Component Side w8: v4(688.98,704.72) U3.M8@704.72,720.47
  Component Side w10: U3.H1@484.25,846.46 v2(500,830.71) ; v4(1141.73,610.24) U4.P6@1157.48,625.98 ; U4.H6@1157.48,814.96 v4(1173.23,830.71)
  Component Side w20: 610.24,543.31 v3(610.24,720.47) v3(610.24,814.96)
  Component Side w25: v3(299.21,614.17) v3(299.21,590.55) 346.46,543.31 610.24,543.31 v3(960.63,543.31)
  Inner Layer 1 w6.4: v2@500.98,829.72 515.75,814.96 v3(610.24,814.96)
  Inner Layer 2 w6.4: v3(610.24,720.47) 673.23,720.47 v4(688.98,704.72)
  Inner Layer 3 w6.4: v4(1141.73,610.24) 1157.48,625.98 1157.48,814.96 v4(1173.23,830.71)
  Inner Layer 3 w15: v3(960.63,543.31) 972.44,555.12 1118.11,555.12 1141.73,578.74 v4(1141.73,610.24)
  Solder Side w8: C125.2@686.02,704.72 C125.2@686.02,707.68
VRN: R87.2 U4.G5 | length 22.9
  Component Side w10: v4(1110.24,862.8) 1110.24,862.2 U4.G5@1125.98,846.46
VRP: R86.2 U4.H5 | length 22.3
  Component Side w7: v4(1110.24,799.21) U4.H5@1125.98,814.96
VTTRAM: C127.2 C128.2 C139.2 C146.2 R89.2 R90.2 R91.2 R92.2 R93.2 R95.2 R96.2 R97.2 R98.2 R99.2 R100.2 R101.2 R102.2 R103.2 R104.2 R105.2 R106.2 R107.2 R109.2 R110.2 R111.2 R112.2 R113.2 R114.2 U15.3
XOSC: R85.2 Y1.3 | length 66.3
  Solder Side w6.5: Y1.3@1087.6,1087.6 1087.6,1095.47 1126.57,1134.45 R85.2@1129.92,1134.45
XTLI: C55.2 U11.5 X1.3 | length 147.9
  Solder Side w6.5: U11.5@2702.76,813.98 2702.76,893.7 X1.3@2714.57,905.51 2722.44,913.39 C55.2@2762.8,913.39
XTLO: C56.2 U11.4 X1.1 | length 183.7
  Solder Side w6.5: C56.2@2625.98,934.06 2650.59,934.06 X1.1@2661.42,944.88 2665.35,944.88 2687.01,923.23 U11.4@2687.01,813.98
ZQ: R88.2 U3.L8 | length 22.3
  Component Side w6.5: U3.L8@704.72,751.97 v4(720.47,736.22)
ZYNQ_JTAG_TCK: J1.234 R53.2 U4.F9 | length 2373.3
  Component Side w6.5: U4.F9@1251.97,877.95 v1(1267.72,893.7)
  Inner Layer 2 w4: v1(1267.72,893.7) 1283.46,877.95 1342.52,877.95 1346.46,874.02 1346.46,818.9 1350.39,814.96 1688.98,814.96 1748.03,755.91 1748.03,661.42 1893.7,515.75 1893.7,429.13 1909.45,413.39 2488.19,413.39 2559.06,342.52 2799.21,342.52 2834.65,377.95 2866.14,377.95 2885.83,358.27 2885.83,208.66 v1(2850.39,173.23)
  Solder Side w6.5: R53.2@2850.39,192.32 v1(2850.39,173.23) 2850.39,129.92 2866.14,114.17 J1.234@2866.14,55.12
ZYNQ_JTAG_TDI: J1.235 R49.2 U4.G6 | length 2424.8
  Component Side w6.5: v1(1141.73,830.71) U4.G6@1157.48,846.46
  Inner Layer 2 w4: v1(1141.73,830.71) 1157.48,814.96 1216.54,814.96 1220.47,811.02 1220.47,755.91 1224.41,751.97 1653.54,751.97 1712.6,692.91 1712.6,484.25 1732.28,464.57 1814.96,464.57 1889.76,389.76 2464.57,389.76 2551.18,303.15 2811.02,303.15 2830.71,283.46 2830.71,165.35 2842.52,153.54 v1(2889.76,153.54)
  Solder Side w6.5: R49.2@2881.89,192.32 2881.89,161.42 v1(2889.76,153.54) 2877.95,141.73 2877.95,122.05 2889.76,110.24 J1.235@2889.76,55.12
ZYNQ_JTAG_TDO: J1.112 R27.1 | length 263.6
  Component Side w6.5: J1.112@2862.2,59.06 J1.112@2866.14,55.12 2866.14,114.17 2830.71,149.61 2830.71,192.91 2850.98,213.19 2850.98,251.97 R27.1@2877.95,278.94
ZYNQ_JTAG_TMS: J1.113 R28.2 U4.J6 | length 2434.7
  Component Side w6.5: v1(1141.73,799.21) U4.J6@1157.48,783.46 ; R28.2@2881.89,192.32 2872.01,182.45 2872.01,139.8 2881.89,129.92 2889.76,129.92 J1.113@2889.76,55.12
  Inner Layer 2 w4: v1(1141.73,799.21) 1157.48,783.46 1185.04,783.46 1188.98,779.53 1188.98,724.41 1192.91,720.47 1657.48,720.47 1696.85,681.1 1696.85,472.44 1720.47,448.82 1807.09,448.82 1877.95,377.95 2452.76,377.95 2547.24,283.46 2803.15,283.46 2814.96,271.65 2814.96,149.61 2834.65,129.92 v1(2897.64,129.92)
pads on no net: J1.13 J1.14 J1.15 J1.16 J1.17 J1.18 J1.19 J1.20 J1.21 J1.22 J1.58 J1.61 J1.99 J1.100 J1.101 J1.135 J1.136 J1.137 J1.138 J1.139 J1.140 J1.141 J1.142 J1.143 J1.144 U3.J1 U3.J9 U3.L1 U3.L9 U3.M7 U3.T7 U4.A9 U4.A10 U4.A11 U4.B9 U4.D16 U4.E12 U4.E13 U4.F4 U4.F12 U4.F13 U4.M9 U4.M10 U4.P1 U4.P3 U4.R1 U4.R2 U4.R3 U4.T1 U4.T2 U4.T4 U4.U2 U4.U3 U4.U4 U4.V1 U4.V2 U4.V3 U4.W1 U4.W3 U4.W4 U4.W5 U4.Y1 U4.Y2 U4.Y3 U4.Y4 U8.8 U11.23 U15.9 X1.2 X1.4 Y1.1